# KiCad board pcb.kicad_pcb (continued)
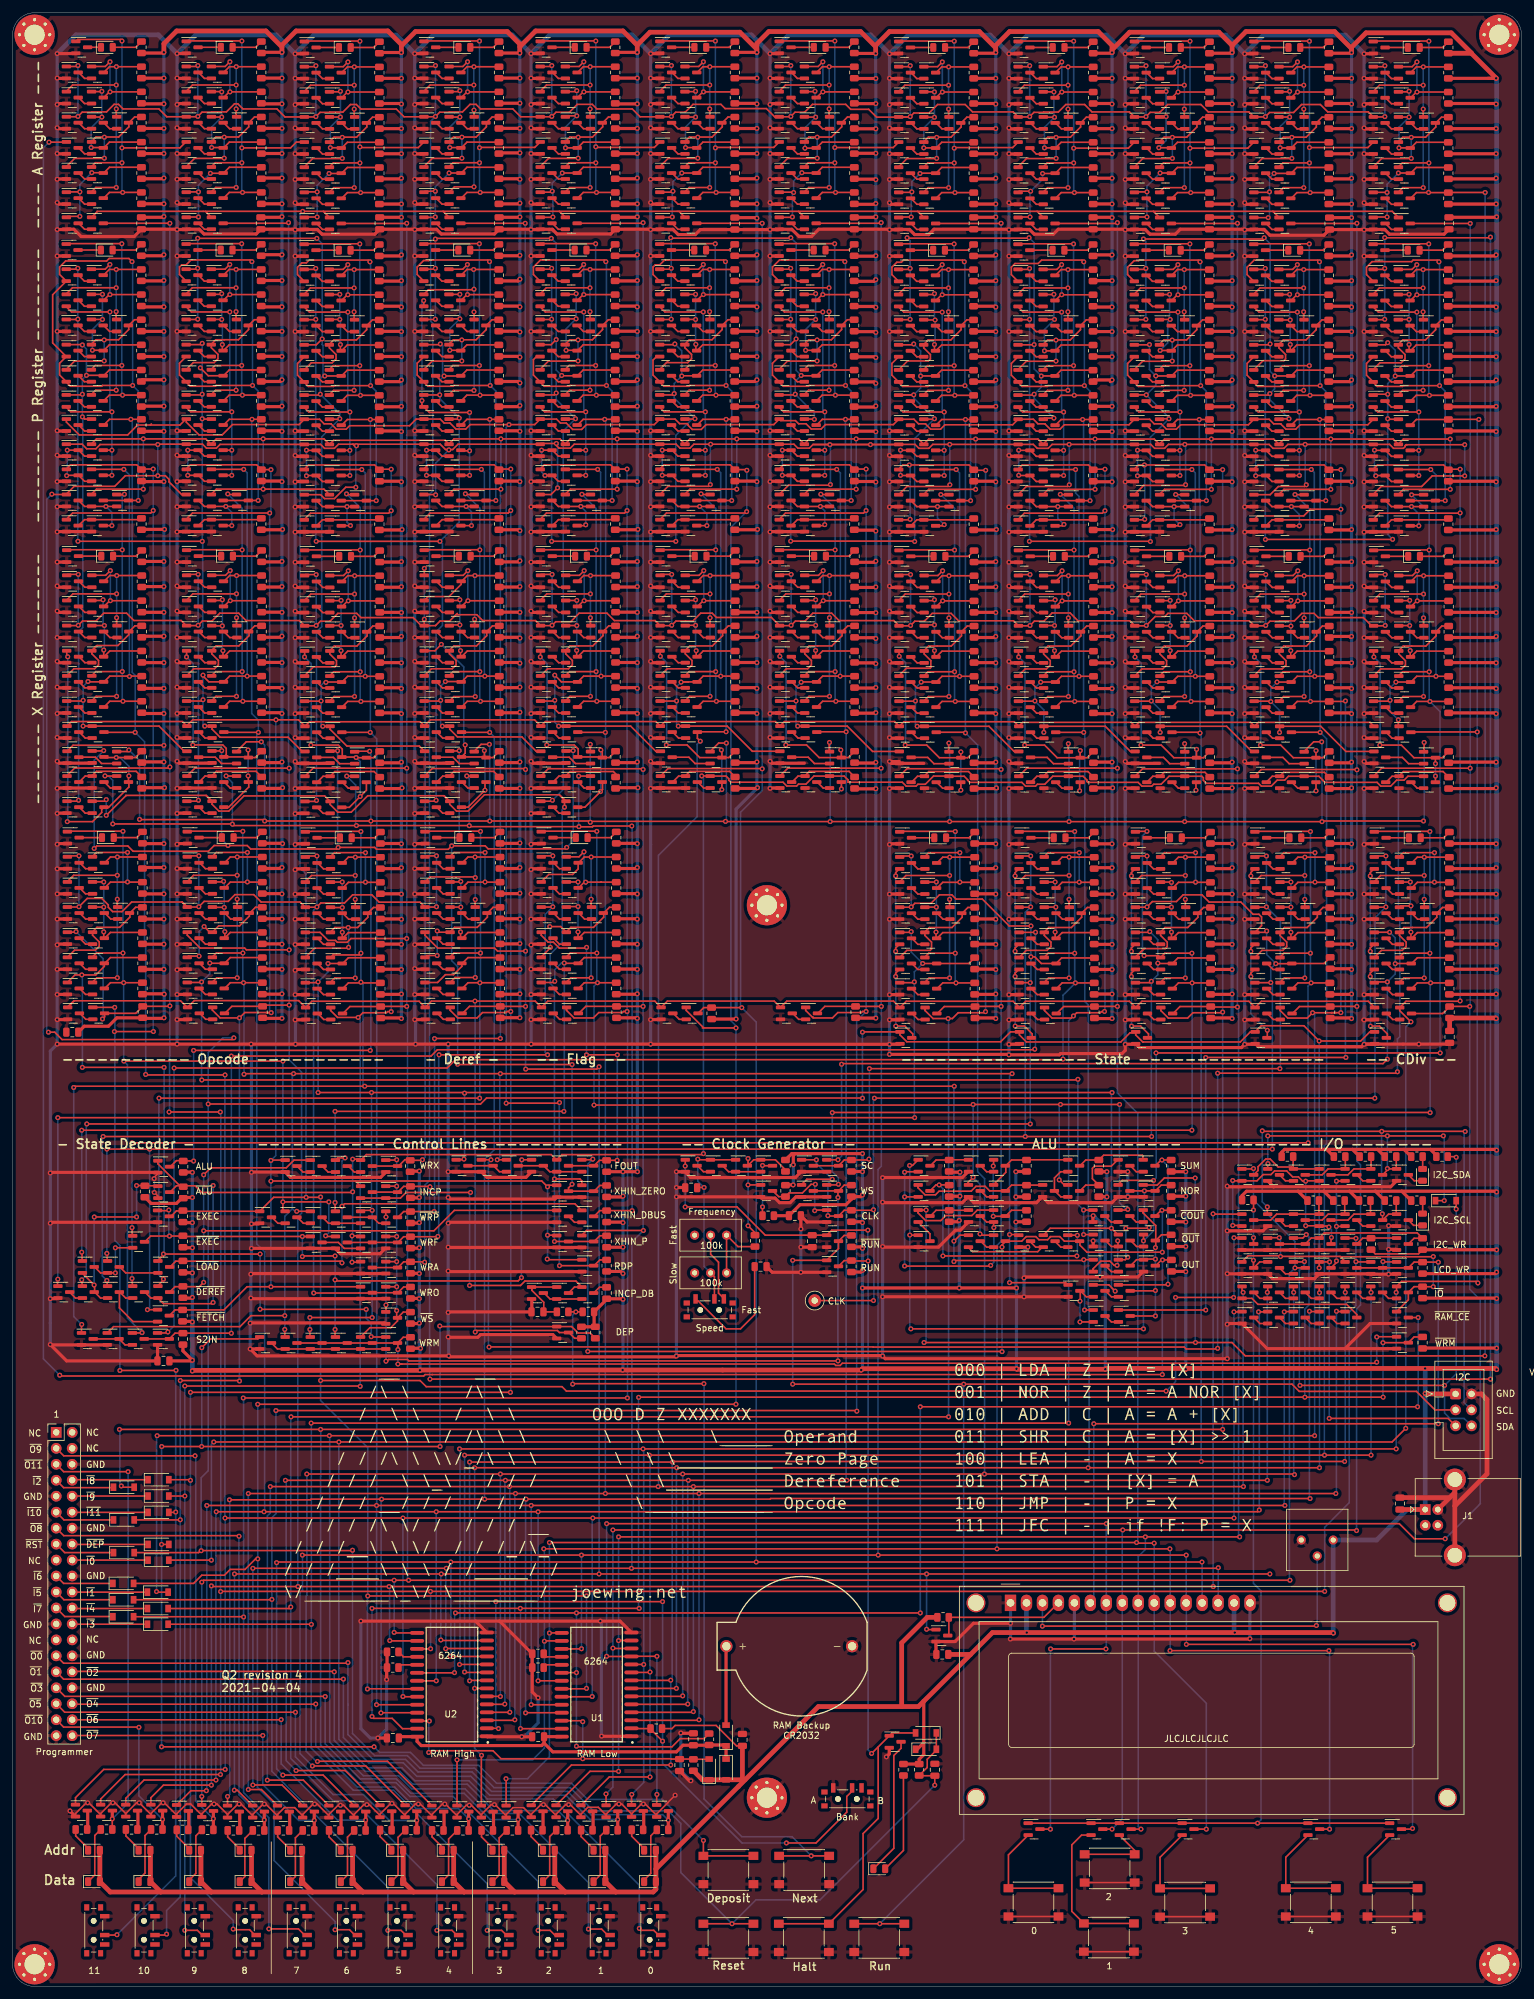
[diagram p0: board, top side]
## Routing (per net, layer and track width the routed paths; a pad name or vN(x,y) marks a point on that pad's centre or on a via; arc(x,y) is an arc through that point) (continued)
  Bottom w0.25: v1(49.72,46.13) 49.72,38.6 55.3,33.03 61.04,33.03 63.34,30.73 71.82,30.73 76,26.55 v1(80.42,26.55)
~{DOUT4}: length 77.4
  Top w0.25: 9.56,44.9 48.2,44.9 v1(48.22,44.93)
  Top w0.5: R377.2 72.55,27.73
  Bottom w0.25: v1(72.55,26.67) 70.93,28.3 64.2,28.3 60.78,31.73 54.8,31.73 48.22,38.3 v1(48.22,44.93)
~{DOUT5}: length 72.1
  Top w0.25: J2.35 8.29,43.63 v1(45,43.63)
  Top w0.5: R373.2 64.29,27.78
  Bottom w0.25: v1(45,43.63) 45,36.53 51,30.53 55.82,30.53 59.93,26.42 v1(64.29,26.42)
~{DOUT6}: length 62
  Top w0.25: v1(42.73,42.45) 42.7,42.43 9.49,42.43 ; R395.2 v1(56.16,26.46)
  Top w0.5: Q885.3 56.19,24.85
  Bottom w0.25: v1(56.16,26.46) 51.69,26.46 42.73,35.42 v1(42.73,42.45)
~{DOUT7}: length 51.6
  Top w0.25: 9.51,39.93 v1(39.8,39.93)
  Top w0.5: R391.2 47.99,27.73
  Bottom w0.25: v1(47.99,26.42) 45.51,26.42 39.8,32.13 v1(39.8,39.93)
~{DOUT8}: length 79.4
  Top w0.25: v1(36.03,71.63) 35.93,71.73 8.13,71.73 J2.13
  Top w0.5: R387.2 40.04,27.73
  Bottom w0.25: v1(36.03,71.63) 36,71.6 36,66 36.03,65.97 36.03,30.5 v1(40.04,26.48)
~{DOUT9}: length 84.4
  Top w0.25: J2.3 8.13,84.43 v1(29.03,84.43)
  Top w0.5: R383.2 31.94,27.83
  Bottom w0.25: v1(31.94,26.68) 29.15,29.48 29.15,84.3 v1(29.03,84.43)
~{DOUT10}: length 33.2
  Top w0.25: 20.07,41.26 8.12,41.26 J2.37 ; 20,41.33 v1(20.1,41.23) ; 23.85,26.87 v1(23.85,26.57)
  Top w0.5: R379.2 23.85,27.88
  Bottom w0.25: v1(23.85,26.57) 20.1,30.33 v1(20.1,41.23)
~{DOUT11}: length 71.1
  Top w0.25: R375.2 v1(15.86,26.66) ; J2.5 8.12,81.9 v1(18.37,81.9)
  Top w0.5: v1(15.86,26.66) 15.86,27.89
  Bottom w0.25: v1(18.37,81.9) 18.37,29.18 v1(15.86,26.66)
~{F}: length 90.6
  Top w0.25: 90.04,162.78 90.95,163.69 R328.2 ; 51.3,123.33 v1(51.3,124.73) ; v1(86.25,159.93) 86.06,159.73 Q757.1 ; v1(87.77,162.83) 87.82,162.78 Q760.3 ; v1(51.3,139.23) v1(87.7,139.23)
  Bottom w0.25: v1(51.3,124.73) v1(51.3,139.23) ; v1(87.7,139.23) 87.77,139.29 v1(87.77,162.83) 87.31,162.83 86.25,161.77 v1(86.25,159.93)
~{INCP_SW}: length 129.5
  Top w0.25: v1(89.1,95.83) 89.17,95.9 v1(109.97,95.9) ; 90.64,107.33 v1(89.6,107.33) 88.46,107.33 ; SW7.1 v1(127.05,20.78) SW7.1
  Bottom w0.25: v1(89.1,95.83) 89.1,106.73 ; v1(109.97,95.9) 110,95.88 110,29.83 116,23.83 124,23.83 v1(127.05,20.78) ; 89.1,106.83 v1(89.6,107.33)
~{O0}: length 269.4
  Top w0.25: 52.51,162.76 53.42,163.67 R166.2 ; 70.5,131.53 71.7,131.53 v1(71.8,131.63) ; v1(174.9,142.23) 72,142.23 v1(71.9,142.13) 71.8,142.23 v1(57.1,142.23) v1(48.6,142.23) ; Q503.1 174.4,111.63 v1(175.4,110.63) ; Q386.3 v1(50.18,162.76) 50.15,162.73 ; 175.8,119.63 v1(174.8,120.63) 165.06,120.63 Q493.1 ; v1(57.2,106.43) v1(47.3,106.43) ; Q383.1 48.48,159.71 v1(48.6,159.83) ; v1(57.2,123.48) 55.45,123.48 ; v1(47.3,104.53) 47.3,103.33
  Bottom w0.25: v1(57.2,106.43) v1(57.2,123.48) 57.1,123.58 v1(57.1,142.23) ; v1(71.8,131.63) 71.9,131.73 v1(71.9,142.13) ; v1(47.3,106.43) v1(47.3,104.53) ; v1(48.6,142.23) v1(48.6,159.83) 50.18,161.41 v1(50.18,162.76) ; v1(174.9,142.23) 174.8,142.13 v1(174.8,120.63) 174.8,111.13 175.31,110.63 v1(175.4,110.63)
~{O1}: length 197.5
  Top w0.25: 33.73,162.79 34.64,163.7 R88.2 ; v1(30.07,159.83) 29.98,159.74 Q210.1 ; 171.8,123.53 v1(170.37,123.53) ; v1(170.37,119.63) 171.85,119.63 ; v1(30.1,144.23) 169.38,144.23 v1(169.47,144.33) ; v1(31.37,162.83) 31.41,162.79 Q213.3
  Bottom w0.25: v1(169.47,144.33) 169.47,124.43 v1(170.37,123.53) v1(170.37,119.63) ; v1(31.37,162.83) 31.37,161.13 v1(30.07,159.83) 30.07,144.26 v1(30.1,144.23)
~{O2}: length 120.8
  Top w0.25: 14.66,162.79 15.57,163.7 R31.2 ; v1(56.25,107.73) 39.4,107.73 v1(39.37,107.75) ; Q73.3 14.6,162.3 13.23,160.94 v1(11.01,160.94) 9.92,160.94 Q70.1 ; v1(57.05,103.38) 57.1,103.33 Q136.1 ; v1(39.37,116.53) v1(24,116.53) 24,116.38 23.05,115.43 ; v1(24.1,146.23) v1(11.1,146.23)
  Bottom w0.25: v1(39.37,116.53) v1(39.37,107.75) ; v1(11.01,160.94) 11.1,160.85 v1(11.1,146.23) ; v1(57.05,103.38) 57.05,105.5 56.25,106.3 v1(56.25,107.73) ; v1(24,116.53) 24.1,116.63 v1(24.1,146.23)
~{RST}: length 1111.7
  Top w0.25: 216.4,237.35 217.7,238.65 224.15,238.65 225.84,240.33 v1(231,240.33) ; Q780.1 200.05,237.35 201.35,238.65 205.53,238.65 v1(205.8,238.92) ; 140.56,245.31 v1(130.02,245.31) 127.47,245.31 ; 86.92,244.75 86.5,245.17 v1(86.5,245.5) 84.06,245.5 ; 86.92,244.75 88.72,244.75 89.35,245.37 Q1012.1 105.55,245.37 106.18,244.75 107.75,244.75 108.37,245.37 v1(111.04,245.37) Q1088.1 124.3,245.37 124.92,244.75 126.75,244.75 127.35,245.35 Q231.1 143.55,245.35 144.18,244.72 145.75,244.72 146.38,245.35 v1(149.08,245.35) Q404.1 162.38,245.35 163.01,244.72 164.75,244.72 165.37,245.35 v1(168.08,245.35) Q600.1 181.05,245.35 181.68,244.72 183.25,244.72 183.88,245.35 v1(186.48,245.35) Q778.1 199.88,245.35 200.51,244.72 202.25,244.72 202.87,245.35 v1(205.62,245.35) Q895.1 219.05,245.35 219.68,244.72 221.25,244.72 221.53,245 221.53,245.15 221.67,245.3 221.79,245.3 ; 86.92,244.75 86.9,244.75 ; v1(31.13,140.4) 74.45,140.4 75.4,141.35 135.17,141.35 v1(135.2,141.33) ; Q11.1 6.3,237.38 v1(6.25,237.43) ; v1(35.2,150.93) 34.93,150.65 7.87,150.65 6.7,151.83 v1(5.7,151.83) ; v1(54.7,245.13) 54.39,245.13 54.14,245.37 ; 54.14,245.37 51.85,245.37 51.2,244.72 49.63,244.72 49,245.35 Q322.1 33.01,245.35 32.42,244.75 30.85,244.75 30.22,245.38 Q149.1 23.15,245.38 v1(23.1,245.33) 13.89,245.33 ; 54.14,245.37 Q518.1 68.03,245.37 68.87,244.53 70.01,244.53 70.85,245.37 Q696.1 ; 8.5,245.38 11.06,245.38 11.79,244.65 13.25,244.65 13.93,245.33 ; Q520.1 67.25,237.37 v1(67.3,237.33) ; Q406.1 161.26,238.65 167.83,238.65 v1(168.1,238.92) ; 178.64,151.73 177.76,151.73 176.3,150.27 161.28,150.27 160.16,151.39 Q397.1 158.75,151.88 157.17,150.3 142.25,150.3 141.16,151.39 Q224.1 135.25,151.88 v1(135.2,151.83) ; v1(130.1,238.95) 130,238.85 123.44,238.85 Q1090.1 ; 221.79,245.3 v1(231,245.3) ; 221.79,245.3 221.79,245.26 ; Q771.1 198.64,152.85 205.42,152.85 v1(207.85,150.43) 214.46,150.43 215.88,151.85 216.76,151.85 ; 146.95,37.58 145.5,36.13 145.5,34.84 R367.2 ; v1(86.7,238.43) 85.65,237.37 Q698.1 ; 197.76,151.85 196.88,151.85 195.3,150.27 179.85,150.27 179.85,150.27 179.83,150.3 179.75,150.3 178.66,151.38 Q593.1 ; v1(186.6,238.93) 186.49,238.82 179.94,238.82 Q602.1 ; v1(146.7,32.03) 146.7,33.51 ; v1(149.1,238.92) 148.83,238.65 142.26,238.65 Q233.1 ; Q324.1 49,237.35 49.63,236.72 51.2,236.72 53,238.53 v1(54.6,238.53) ; 19.45,69.03 29.6,69.03 29.93,69.35 54.03,69.35 v1(54.08,69.4) ; D41.1 D42.2 ; SW4.1 v1(114.45,9.98) SW4.1 ; v1(111,238.95) 110.73,238.67 104.26,238.67 Q1014.1 ; J3.5 228.36,90.38 v1(209.45,90.38) ; 141.26,151.85 141.26,151.69 ; v1(209.5,115.28) Q1097.1 207.86,114.34 v1(207.85,114.33) ; C25.2 144.26,33.53 ; Q151.1 26.89,237.38 24.89,239.38 24.89,239.77 24.3,240.36 v1(23.1,240.36) 17.94,240.36 16.25,238.68 9.8,238.68 8.5,237.38
  Bottom w0.25: v1(231,245.3) v1(231,240.33) ; v1(136.47,245.31) 136.5,245.28 ; v1(69.4,244.47) 67.3,242.37 v1(67.3,237.33) ; v1(54.08,69.4) 54.08,40.25 57.6,36.73 62.8,36.73 64.8,34.73 73.5,34.73 76.6,31.63 88.7,31.63 92.4,27.93 104.3,27.93 106.3,25.93 106.3,18.13 v1(114.45,9.98) 118.25,13.78 128.45,13.78 v1(146.7,32.03) ; v1(209.5,115.28) 209.45,115.23 v1(209.45,90.38) ; v1(30,69.33) 30,80.93 31.13,82.05 v1(31.13,140.4) 31.13,148.6 33.45,150.93 v1(35.2,150.93) ; v1(54.6,238.53) 54.6,245.03 v1(54.7,245.13) ; v1(135.2,151.83) v1(135.2,141.33) ; v1(186.48,245.35) 186.6,245.23 v1(186.6,238.93) ; v1(130.1,238.95) 130.1,245.23 v1(130.02,245.31) ; v1(5.7,151.83) 5.42,152.1 5.42,236.6 v1(6.25,237.43) ; v1(149.1,238.92) 149.1,245.33 v1(149.08,245.35) ; v1(111.04,245.37) 111,245.33 v1(111,238.95) ; v1(205.62,245.35) 205.62,239.1 v1(205.8,238.92) ; v1(86.7,238.43) 86.7,245.3 v1(86.5,245.5) ; v1(168.08,245.35) 168.1,245.33 v1(168.1,238.92) ; v1(23.1,245.33) v1(23.1,240.36) ; v1(207.85,114.33) v1(207.85,150.43)
~{S0}: length 315.1
  Top w0.25: v1(180.46,179.86) 178.71,179.86 ; 178.56,171.71 180.41,171.71 v1(180.46,171.76) 181.31,172.61 185.14,172.61 186.21,173.68 189.2,173.68 190.35,172.53 195.39,172.53 197.33,170.58 198.26,170.58 198.69,170.16 198.69,168.77 Q847.1 199.28,167.71 v1(199.5,167.93) ; 15.05,115.43 15.05,116.58 v1(15,116.63) ; Q839.3 208.62,162.76 R362.2 ; v1(200.95,162.73) 203.47,162.73 ; Q836.1 200.13,159.71 v1(200.15,159.73) ; v1(15,133.23) v1(21.8,133.23) v1(200.4,133.23) ; Q84.1 v1(21.45,107.68)
  Bottom w0.25: v1(180.46,171.76) v1(180.46,179.86) ; v1(15,116.63) v1(15,133.23) ; 21.9,133.13 v1(21.8,133.23) 21.8,108.03 v1(21.45,107.68) ; v1(199.5,167.93) 199.5,164.18 v1(200.95,162.73) 200.15,161.93 v1(200.15,159.73) 200.4,159.48 v1(200.4,133.23)
~{S1}: length 287
  Top w0.25: v1(161.96,179.86) 160.21,179.86 ; v1(161.96,171.76) 161.91,171.71 160.06,171.71 ; Q669.1 180.78,167.71 v1(180.9,167.83) ; v1(15,112.33) 15.05,112.28 15.05,111.43 ; v1(14.4,135.23) v1(161.1,135.23) v1(181.2,135.23) ; v1(181.15,159.93) 180.93,159.71 Q658.1 ; R281.2 185.38,163.64 Q661.3 182.24,162.76 v1(182.19,162.81)
  Bottom w0.25: v1(161.96,179.86) v1(161.96,171.76) 161.1,170.9 v1(161.1,135.23) ; v1(15,112.33) 14.27,113.05 14.27,135.1 v1(14.4,135.23) ; v1(181.2,135.23) 181.15,135.28 v1(181.15,159.93) 182.19,160.96 v1(182.19,162.81) 182.19,166.54 v1(180.9,167.83)
~{S2}: length 254.1
  Top w0.25: 141.06,171.71 142.91,171.71 v1(142.96,171.76) 143.54,172.33 146.09,172.33 147.44,173.68 149.41,173.68 150.08,173.01 154.26,173.01 158.54,168.73 v1(162,168.73) ; v1(142.96,179.86) 141.21,179.86 ; v1(11,112.43) 11.05,112.38 11.05,111.43 ; v1(11.8,137.23) v1(161.9,137.23) ; v1(162,163.83) 162.59,163.83 163.66,162.76 Q465.3 166.88,163.64 R200.2 ; Q462.1 v1(161.88,159.71)
  Bottom w0.25: v1(142.96,171.76) v1(142.96,179.86) ; v1(161.9,137.23) 161.88,137.25 v1(161.88,159.71) 162,159.83 v1(162,163.83) v1(162,168.73) ; v1(11,112.43) 11.73,113.15 11.73,137.15 v1(11.8,137.23)
~{S3}: length 207
  Top w0.25: 7.15,111.43 7.15,112.48 v1(7.2,112.53) ; Q289.1 143.33,159.71 v1(143.45,159.83) ; R122.2 152.12,162.76 Q292.3 v1(144.78,162.76) ; v1(142.95,167.83) 142.83,167.71 Q300.1 ; v1(7.2,138.23) v1(143.5,138.23)
  Bottom w0.25: v1(142.95,167.83) 142.95,164.59 v1(144.78,162.76) 143.45,161.43 v1(143.45,159.83) 143.45,138.28 v1(143.5,138.23) ; v1(7.2,112.53) v1(7.2,138.23)
~{START_SW}: length 237.9
  Top w0.25: SW6.1 v1(137.95,9.98) SW6.1 ; R133.2 132.3,119.49 Q311.3 131.39,117.4 Q312.1 v1(124.1,115.53) ; v1(124.1,95.83) v1(151.3,95.83) 203.53,95.83 204.68,94.68 223.32,94.68 226.27,91.73 J3.3
  Bottom w0.25: v1(137.95,9.98) 151.3,23.33 v1(151.3,95.83) ; v1(124.1,115.53) v1(124.1,95.83)
~{STOP_SW}: length 175
  Top w0.25: R134.2 132.3,115.49 Q312.3 ; Q310.1 107.01,130.54 v1(107,130.53) ; SW3.1 SW3.1 135.3,15.42 135.3,24.33 137.7,26.73 137.7,38.11 ; D41.2 139.92,40.33 Q313.1 v1(136.66,37.07) ; v1(136.1,115.43) 133.51,115.43 ; v1(107,124.03) 115.24,124.03 119.74,119.53 C24.2 Q311.1 130.31,120.33 v1(136.05,120.33)
  Bottom w0.25: v1(107,124.03) v1(107,130.53) ; v1(136.05,120.33) 136.05,115.48 v1(136.1,115.43) 136.1,37.63 v1(136.66,37.07)
~{SW0}: length 522.9
  Top w0.25: v1(230.27,241.4) 228.49,241.4 ; R398.2 227.64,242.07 217.13,242.07 216.4,241.35 ; v1(99.7,9.23) 100,8.93 102,8.93 102.75,8.18 ; v1(32,86.63) v1(51.9,86.63) 219.45,86.63 v1(221.62,88.8) ; 222.55,153.37 v1(222.45,153.47) 220.66,155.25 Q886.1 221.66,156.75 230.22,156.75 v1(230.27,156.8) ; D79.2 v1(31.62,67.83) ; v1(230.27,234.44) 230.23,234.4 217.45,234.4 216.4,233.35
  Bottom w0.25: v1(230.27,241.4) v1(230.27,234.44) v1(230.27,156.8) ; v1(31.62,67.83) 31.62,86.25 v1(32,86.63) ; v1(221.62,88.8) 221.62,152.65 v1(222.45,153.47) ; v1(99.7,9.23) 99.7,16.1 85.98,29.83 75.5,29.83 72.6,32.73 64,32.73 61.95,34.78 56.45,34.78 51.9,39.33 v1(51.9,86.63)
~{SW1}: length 515.9
  Top w0.25: 201.6,155.36 201.6,155.75 ; 197.4,241.35 198.13,242.07 208.64,242.07 R334.2 211.28,241.31 v1(211.3,241.33) ; v1(206.8,154.92) 205.95,154.07 202.85,154.07 201.66,155.25 Q769.1 ; v1(206.8,154.92) 206.78,154.92 ; v1(206.8,154.92) 209.8,154.92 ; 94.65,8.18 93.7,9.13 v1(91.6,9.13) ; 209.8,154.92 209.81,154.93 v1(211.3,154.93) ; 209.8,154.92 210.53,154.92 ; v1(23,87.63) v1(207.12,87.63) ; v1(211.3,235.03) 206.45,235.03 205.4,233.97 198.09,233.97 Q782.1 ; D80.2 23,62.73 v1(22.9,62.83)
  Bottom w0.25: v1(211.3,154.93) v1(211.3,235.03) v1(211.3,241.33) ; v1(206.8,154.92) 207.12,154.6 v1(207.12,87.63) ; v1(50.4,87.63) 50.45,87.58 50.45,38.88 55.8,33.53 61.4,33.53 63.5,31.43 72,31.43 75.9,27.53 80.6,27.53 91.6,16.53 v1(91.6,9.13) ; v1(23,87.63) 22.9,87.53 v1(22.9,62.83)
~{SW2}: length 481.2
  Top w0.25: 178.4,241.35 179.13,242.07 v1(180.05,242.07) 189.64,242.07 R253.2 192.48,241.31 v1(192.5,241.33) ; Q591.1 182.66,155.26 183.85,154.07 186.93,154.07 187.78,154.92 192.4,154.92 v1(192.5,155.03) ; v1(17,88.63) v1(49,88.63) v1(192.5,88.63) ; v1(83.6,8.93) 85.5,8.93 86.25,8.18 87.03,8.18 ; v1(17.3,79.63) 17.5,79.43 19.45,79.43 ; v1(180.1,233.43) 180.02,233.35 Q604.1
  Bottom w0.25: v1(192.5,241.33) v1(192.5,155.03) v1(192.5,88.63) ; v1(49,88.63) 49,88.58 49.03,88.55 49.03,81.18 49,81.15 49,38.43 55,32.43 61,32.43 63.2,30.23 70.07,30.23 83.6,16.7 v1(83.6,8.93) ; v1(17,88.63) 17.07,88.55 17.07,79.85 v1(17.3,79.63) ; v1(180.05,242.07) 180.1,242.03 v1(180.1,233.43) ; 83.59,16.71 83.62,16.71
~{SW3}: length 434.6
  Top w0.25: R172.2 171.14,242.07 160.63,242.07 159.9,241.35 ; 173.78,155.1 173.21,155.1 173.03,154.92 169.28,154.92 v1(168.77,154.41) ; v1(173.78,241.4) 171.99,241.4 ; 164.1,155.36 164.1,155.75 ; 159.9,233.35 160.95,234.4 173.38,234.4 v1(173.78,234.8) ; v1(168.77,154.41) 168.43,154.07 165.35,154.07 164.16,155.26 Q395.1 ; v1(168.77,154.41) 168.77,154.34 ; 78.55,8.18 77.8,8.93 v1(75.5,8.93) ; v1(47.5,89.63) v1(168,89.63) ; D74.2 47.5,57.63 v1(47.53,57.6)
  Bottom w0.25: v1(173.78,234.8) v1(173.78,241.4) ; v1(173.78,234.8) 173.9,234.8 ; v1(173.78,234.8) 173.78,155.1 ; v1(47.5,89.63) 47.53,89.6 v1(47.53,57.6) 47.53,51.55 47.5,51.53 47.5,37.93 54.2,31.23 60.6,31.23 75.5,16.33 v1(75.5,8.93) ; v1(168,89.63) 168,153.65 v1(168.77,154.41)
  vias: v1(173.7,155.13)
~{SW4}: length 406.9
  Top w0.25: R94.2 152.14,242.07 v1(142.65,242.07) 141.63,242.07 140.9,241.35 ; 145.1,155.36 145.1,155.75 ; D75.2 44,60.13 v1(44.25,60.38) ; v1(154.8,241.23) 152.98,241.23 ; Q222.1 145.16,155.25 146.42,154 v1(148.83,154) 149.5,154 150.43,154.92 154.6,154.92 v1(154.78,155.1) ; v1(44.3,90.63) v1(148.9,90.63) ; v1(142.78,233.43) 142.7,233.35 Q235.1 ; 70.65,8.18 69.9,8.93 v1(67.5,8.93)
  Bottom w0.25: v1(44.3,90.63) 44.25,90.58 v1(44.25,60.38) 44.25,36.28 50.97,29.55 54.15,29.55 67.5,16.2 v1(67.5,8.93) ; v1(154.78,155.1) 154.78,241.2 v1(154.8,241.23) ; v1(142.78,233.43) 142.78,241.95 v1(142.65,242.07) ; v1(148.83,154) 148.9,153.93 v1(148.9,90.63)
~{SW5}: length 399
  Top w0.25: v1(135.78,155.12) 135.21,155.12 135.03,154.95 131.28,154.95 130.43,154.1 127.35,154.1 127.35,154.17 127.33,154.2 127.25,154.2 126.16,155.28 Q951.1 ; 121.9,241.37 122.63,242.1 133.14,242.1 R482.2 ; v1(135.78,234.82) 135.38,234.42 122.95,234.42 121.9,233.37 ; v1(135.78,241.42) 133.99,241.42 ; v1(41.25,61.58) 41.2,61.53 D76.2 ; 62.55,8.18 61.8,8.93 v1(59.7,8.93) ; v1(41.9,91.63) 134.2,91.63 v1(134.3,91.53)
  Bottom w0.25: 135.9,155.25 v1(135.78,155.12) ; v1(135.78,155.12) v1(135.78,234.82) ; v1(135.78,155.12) 134.27,153.62 134.27,91.55 v1(134.3,91.53) ; 135.9,234.82 v1(135.78,234.82) ; v1(135.78,234.82) v1(135.78,241.42) ; v1(59.7,8.93) 59.7,15.78 41.25,34.23 v1(41.25,61.58) 41.25,74.58 41.9,75.23 v1(41.9,91.63)
~{SW6}: length 378.4
  Top w0.25: 102.9,241.37 103.63,242.1 114.14,242.1 R450.2 116.69,241.33 v1(116.8,241.23) ; D82.2 28.8,64.13 30.1,65.43 33.7,65.43 34.63,66.35 36.98,66.35 38.65,68.03 v1(39,68.03) ; v1(51.3,9.03) 53.6,9.03 54.45,8.18 ; v1(39,92.63) v1(115.07,92.63) ; v1(116.78,234.65) 116.55,234.43 104.02,234.43 Q1016.1 ; 109.95,152.5 107.16,155.29 Q967.1 ; 109.72,152.5 v1(115.07,152.5)
  Bottom w0.25: v1(51.3,9.03) 51.3,10.33 41.6,20.03 41.6,29.03 38.95,31.68 38.95,59.98 39,60.03 v1(39,68.03) v1(39,92.63) ; v1(115.07,92.63) v1(115.07,152.5) 115.07,152.85 114.28,153.65 114.28,232.15 v1(116.78,234.65) ; 116.78,234.55 116.8,234.58 v1(116.8,241.23)
~{SW7}: length 359.3
  Top w0.25: 83.88,241.37 84.6,242.1 95.11,242.1 R300.2 ; 88.07,155.39 88.07,155.77 ; 83.88,233.37 84.93,234.42 97.35,234.42 v1(97.75,234.82) ; v1(97.75,241.42) 95.96,241.42 ; v1(97.75,155.12) 97.18,155.12 97.01,154.95 93.25,154.95 92.4,154.1 89.32,154.1 88.14,155.28 Q688.1 ; v1(36.7,93.63) v1(97.8,93.63) ; v1(40.77,9.16) 45.47,9.16 46.45,8.18 ; v1(36.75,58.78) 36.7,58.83 D81.2
  Bottom w0.25: 97.88,234.82 v1(97.75,234.82) ; v1(97.75,234.82) v1(97.75,241.42) ; v1(97.75,234.82) v1(97.75,155.12) ; 97.88,155.25 v1(97.75,155.12) ; v1(97.75,155.12) 97.83,155.05 97.83,93.65 v1(97.8,93.63) ; v1(40.77,9.16) 40.77,26.83 36.75,30.85 36.75,93.58 v1(36.7,93.63)
~{SW8}: length 334
  Top w0.25: 65.38,241.37 66.1,242.1 76.61,242.1 R219.2 ; 69.58,155.39 69.58,155.77 ; 65.38,233.37 66.43,234.42 78.85,234.42 v1(79.25,234.82) ; v1(79.25,241.42) 77.46,241.42 ; v1(79.25,155.12) 78.68,155.12 78.51,154.95 74.75,154.95 73.9,154.1 70.82,154.1 69.64,155.28 Q510.1 ; v1(28.3,94.53) v1(79.2,94.53) ; 38.55,8.18 37.7,9.03 35.2,9.03 v1(35.1,9.13) ; D72.2 28.2,80.63 v1(28.3,80.53)
  Bottom w0.25: 79.38,234.82 v1(79.25,234.82) ; v1(79.25,234.82) v1(79.25,241.42) ; v1(79.25,234.82) v1(79.25,155.12) ; 79.38,155.25 v1(79.25,155.12) ; v1(79.25,155.12) 79.25,94.58 v1(79.2,94.53) ; v1(28.3,94.53) 28.3,17.29 35.1,10.49 v1(35.1,9.13)
~{SW9}: length 305.8
  Top w0.25: 46.35,241.35 47.08,242.07 57.59,242.07 R138.2 ; 50.55,155.36 50.55,155.75 ; 46.35,233.35 47.4,234.4 59.83,234.4 v1(60.22,234.8) ; v1(60.22,241.4) 58.44,241.4 ; v1(60.22,155.1) 59.66,155.1 59.48,154.92 55.73,154.92 v1(54.97,154.17) 51.7,154.17 50.61,155.25 Q314.1 ; v1(55.3,95.48) 55.25,95.53 v1(27.4,95.53) ; 30.15,8.18 29.4,8.93 v1(27.4,8.93) ; v1(27.4,78.03) D71.2
  Bottom w0.25: 60.35,234.8 v1(60.22,234.8) ; v1(60.22,234.8) v1(60.22,241.4) ; v1(60.22,234.8) v1(60.22,155.1) 60.35,155.22 ; v1(27.4,8.93) v1(27.4,95.53) ; v1(55.3,95.48) 55.29,95.48 55.29,153.85 v1(54.97,154.17)
~{SW10}: length 291.4
  Top w0.25: 27.57,241.38 28.29,242.1 38.81,242.1 R60.2 41.09,241.34 v1(41.1,241.33) ; 40.7,154.95 36.94,154.95 v1(36.09,154.1) 33.02,154.1 31.77,155.35 31.77,155.78 ; v1(40.9,234.43) 28.62,234.43 27.57,233.38 ; 22.73,8.18 24.35,8.18 v1(24.5,8.33) ; v1(41.14,154.93) 40.4,154.93 40.37,154.95 ; v1(36.1,96.33) 36.03,96.4 v1(26.67,96.4) ; D70.2 26.65,74.23 v1(26.67,74.25)
  Bottom w0.25: 36.17,154.03 v1(36.09,154.1) 36.09,96.92 ; v1(41.14,154.93) 40.9,155.17 v1(40.9,234.43) 41.1,234.63 v1(41.1,241.33) ; 36.1,96.53 36.09,96.53 36.09,96.92 ; v1(36.1,96.33) 36.1,96.91 36.09,96.92 ; v1(26.67,96.4) 26.67,96.4 v1(26.67,74.25) 26.67,14.25 24.5,12.08 v1(24.5,8.33)
~{SW11}: length 292.1
  Top w0.25: v1(22.38,241.43) 20.59,241.43 ; Q1.1 v1(16.25,155.78) ; D69.2 25.9,75.43 v1(25.95,75.48) ; v1(16.6,8.23) 16.55,8.18 14.73,8.18 ; v1(22.38,234.83) 21.98,234.43 9.55,234.43 8.5,233.38 ; v1(26,98.03) 25.98,98 v1(17.08,98) 17.05,97.98 ; v1(16.2,151.93) v1(22.4,151.93) ; 8.5,241.38 9.23,242.1 19.74,242.1 R3.2
  Bottom w0.25: v1(16.25,155.78) 16.27,155.75 16.27,118.67 17.08,117.87 v1(17.08,98) ; 25.95,46.53 25.95,46.68 ; 25.95,46.53 25.95,17.58 v1(16.6,8.23) ; 25.95,46.53 v1(25.95,75.48) 25.95,97.98 v1(26,98.03) ; v1(22.38,234.83) 22.38,151.95 v1(22.4,151.93) ; v1(22.38,234.83) v1(22.38,241.43) ; v1(22.38,234.83) 22.5,234.83
~{WRP}: length 550.4
  Top w0.25: 31.57,237.38 32.42,238.23 v1(39.87,238.23) 49.53,238.23 Q320.1 ; 87.88,237.37 88.72,238.22 v1(96.18,238.22) ; 87.88,245.37 88.72,246.22 v1(96.18,246.22) 106.11,246.22 Q1008.1 ; 69.38,237.37 70.22,238.22 v1(77.68,238.22) ; 69.38,245.37 70.22,246.22 v1(77.68,246.22) 87.09,246.22 Q692.1 ; 106.9,245.37 107.75,246.22 v1(115.2,246.22) 125.11,246.22 Q1084.1 ; v1(228.7,238.2) 221.25,238.2 220.4,237.35 ; 125.9,237.37 126.75,238.22 v1(134.2,238.22) ; 182.4,245.35 183.25,246.2 v1(190.7,246.2) 200.61,246.2 Q774.1 ; 163.9,237.35 164.75,238.2 v1(172.2,238.2) ; v1(228.7,246.2) 221.25,246.2 220.4,245.35 ; 106.9,237.37 107.75,238.22 v1(115.2,238.22) ; v1(209.7,238.2) 202.25,238.2 201.4,237.35 ; 125.9,245.37 126.75,246.22 v1(134.2,246.22) 144.09,246.22 Q227.1 ; 144.9,245.35 145.75,246.2 v1(153.2,246.2) 163.11,246.2 Q400.1 ; v1(153.2,238.2) 145.75,238.2 144.9,237.35 ; 163.9,245.35 164.75,246.2 v1(172.2,246.2) 181.61,246.2 Q596.1 ; 182.4,237.35 183.25,238.2 v1(190.7,238.2) ; 201.4,245.35 202.25,246.2 v1(209.7,246.2) 219.61,246.2 Q891.1 ; 12.5,237.38 13.35,238.23 v1(20.8,238.23) ; v1(67.06,123.29) R55.2 62.21,123.29 61.3,122.38 ; v1(67.13,150.8) 67.15,150.83 v1(77.6,150.83) ; 12.5,245.38 13.35,246.23 v1(20.8,246.23) 30.72,246.23 31.57,245.38 32.42,246.23 v1(39.87,246.23) 49.53,246.23 Q318.1 51.06,246 68.81,246 Q514.1
  Bottom w0.25: v1(39.87,238.23) v1(39.87,246.23) ; v1(96.18,238.22) v1(96.18,246.22) ; v1(77.68,246.22) v1(77.68,238.22) 77.6,238.15 v1(77.6,150.83) ; v1(115.2,238.22) v1(115.2,246.22) ; v1(153.2,238.2) v1(153.2,246.2) ; v1(190.7,238.2) v1(190.7,246.2) ; v1(172.2,238.2) v1(172.2,246.2) ; v1(134.2,238.22) v1(134.2,246.22) ; v1(228.7,238.2) v1(228.7,246.2) ; v1(209.7,238.2) v1(209.7,246.2) ; v1(67.06,123.29) 67.13,123.35 v1(67.13,150.8) ; v1(20.8,238.23) v1(20.8,246.23)
~{X0}: length 334
  Top w0.25: 220.4,241.35 v1(225.6,241.35) ; 222.45,207.54 223.36,208.45 v1(226.43,208.45) R419.2 ; v1(75.8,101.73) 75.83,101.75 136.87,101.75 136.9,101.73 157.05,101.73 186.4,101.73 186.7,101.43 191.6,101.43 v1(191.7,101.53) ; Q942.3 220.06,207.54 v1(220.05,207.53) ; Q134.1 v1(76.1,131.53) ; v1(219.12,204.63) 218.99,204.49 Q939.1 ; v1(191.7,145.3) 220.07,145.3 v1(220.3,145.53) ; v1(220.45,201.53) 220.45,200.61
  Bottom w0.25: v1(225.6,241.35) 226.43,240.52 v1(226.43,208.45) ; v1(76.1,131.53) 75.7,131.13 75.7,101.83 v1(75.8,101.73) ; v1(220.05,207.53) 219.12,206.6 v1(219.12,204.63) 219.12,202.85 v1(220.45,201.53) 220.45,170.2 220.68,169.97 220.68,151.12 220.3,150.75 v1(220.3,145.53) ; v1(191.7,101.53) v1(191.7,145.3)
Net-(BT1-Pad1): length 12.5
  Top w0.5: D30.2 113.5,54.07
Net-(C8-Pad2): length 10.9
  Top w0.25: 86.64,107.33 84.5,107.33 84.5,108.85 82.6,110.75 82.6,110.8 82.61,110.79 82.61,111.28 ; 82.55,111.28 86.55,111.28
Net-(C12-Pad2): length 19.8
  Top w0.25: C12.2 118.05,106.88 115.8,104.63 113.5,104.63 109.07,109.06 108.65,109.06
Net-(C13-Pad2): length 30.8
  Top w0.25: v1(110,127.13) 108.95,127.13 ; 111.65,109.06 111.65,112.92 RV1.2 ; 114.95,131.53 110.95,131.53 ; Q307.1 109.1,131.53 v1(109,131.63)
  Bottom w0.25: v1(109,131.63) 109,128.13 v1(110,127.13) 109.99,127.12 109.99,114.57 RV1.2
Net-(C18-Pad2): length 59.7
  Top w0.5: R291.1 113.36,38.41 ; 84.55,38.71 85.94,37.33 105.6,37.33 106.65,38.38 C20.1 110.76,38.38 ; 84.55,38.71 84.16,38.33 65,38.33 64.35,38.98 U2.28 61.67,39.74 ; 84.55,38.71 C18.2 ; U1.28 84.76,39.74 ; 113.5,38.43 D31.1
Net-(C21-Pad2): length 61.4
  Top w0.25: U1.26 90.54,42.28 v1(90.7,42.13) ; v1(66.2,37.23) 66.48,37.5 76.42,37.5 77.7,36.23 v1(90.7,36.23) 104.77,36.23 104.82,36.18 C21.2 108.26,36.18 ; R296.2 110.76,36.14 ; 64.41,42.23 v1(66.3,42.23)
  Bottom w0.25: v1(66.3,42.23) 66.2,42.13 v1(66.2,37.23) ; v1(90.7,36.23) v1(90.7,42.13)
Net-(D1-Pad1): length 3.6
  Top w0.25: 10.48,276.27 D1.1
Net-(D1-Pad2): length 4.9
  Top w0.25: R7.2 19.57,276.27 D1.2
Net-(D2-Pad1): length 2.1
  Top w0.25: D2.1 Q34.3
Net-(D2-Pad2): length 4.9
  Top w0.25: D2.2 19.59,308.53 R14.2
Net-(D3-Pad1): length 3.6
  Top w0.25: 10.55,227.57 D3.1
Net-(D3-Pad2): length 4.9
  Top w0.25: R23.2 19.64,227.57 D3.2
Net-(D4-Pad1): length 3.6
  Top w0.25: 10.66,182.79 D4.1
Net-(D4-Pad2): length 4.9
  Top w0.25: R30.2 19.75,182.79 D4.2
Net-(D5-Pad1): length 3.6
  Top w0.25: 29.55,276.27 D5.1
Net-(D5-Pad2): length 4.9
  Top w0.25: R64.2 38.64,276.27 D5.2
Net-(D6-Pad1): length 3.6
  Top w0.25: 29.57,308.53 D6.1
Net-(D6-Pad2): length 4.9
  Top w0.25: R71.2 38.66,308.53 D6.2
Net-(D7-Pad1): length 3.6
  Top w0.25: 29.62,227.57 D7.1
Net-(D7-Pad2): length 4.9
  Top w0.25: R80.2 38.71,227.57 D7.2
Net-(D8-Pad1): length 3.6
  Top w0.25: 29.73,182.79 D8.1
Net-(D8-Pad2): length 4.9
  Top w0.25: R87.2 38.82,182.79 D8.2
Net-(D9-Pad1): length 3.6
  Top w0.25: 142.88,276.24 D9.1
Net-(D9-Pad2): length 4.9
  Top w0.25: R98.2 151.97,276.24 D9.2
Net-(D10-Pad1): length 3.6
  Top w0.25: 142.9,308.5 D10.1
Net-(D10-Pad2): length 4.9
  Top w0.25: R105.2 151.99,308.5 D10.2
Net-(D11-Pad1): length 3.6
  Top w0.25: 142.95,227.54 D11.1
Net-(D11-Pad2): length 4.9
  Top w0.25: D11.2 152.04,227.54 R114.2
Net-(D12-Pad1): length 3.6
  Top w0.25: 143.06,182.76 D12.1
Net-(D12-Pad2): length 4.9
  Top w0.25: D12.2 152.15,182.76 R121.2
Net-(D13-Pad1): length 22
  Top w0.25: D13.1 140.19,21.98 140.19,36.74 141.34,37.89 Q313.3
Net-(D13-Pad2): length 16
  Top w0.25: D13.2 141.72,21.63 R135.2
Net-(D14-Pad1): length 3.6
  Top w0.25: 48.33,276.24 D14.1
Net-(D14-Pad2): length 4.9
  Top w0.25: R142.2 57.42,276.24 D14.2
Net-(D15-Pad1): length 3.6
  Top w0.25: 48.35,308.5 D15.1
Net-(D15-Pad2): length 4.9
  Top w0.25: R149.2 57.44,308.5 D15.2
Net-(D16-Pad1): length 3.6
  Top w0.25: 48.4,227.54 D16.1
Net-(D16-Pad2): length 4.9
  Top w0.25: R158.2 57.49,227.54 D16.2
